# Altium PCB PROC114E3_BRD.PcbDoc (part 13 of 18)
Units mm, origin at the board's own origin, x right, y up, seen from the top; angles counter-clockwise.
Board outline 85 x 155.18 mm, 10 copper layers (TOP, L02_GND1, L03_SIG1, L04_GND2, L05_PWR1, L06_PWR2, L07_GND3, L08_SIG2, L09_GND4, BOTTOM), stack 1.134 mm thick; 1389 components, 1010 nets, 5137 pads, 3263 vias.
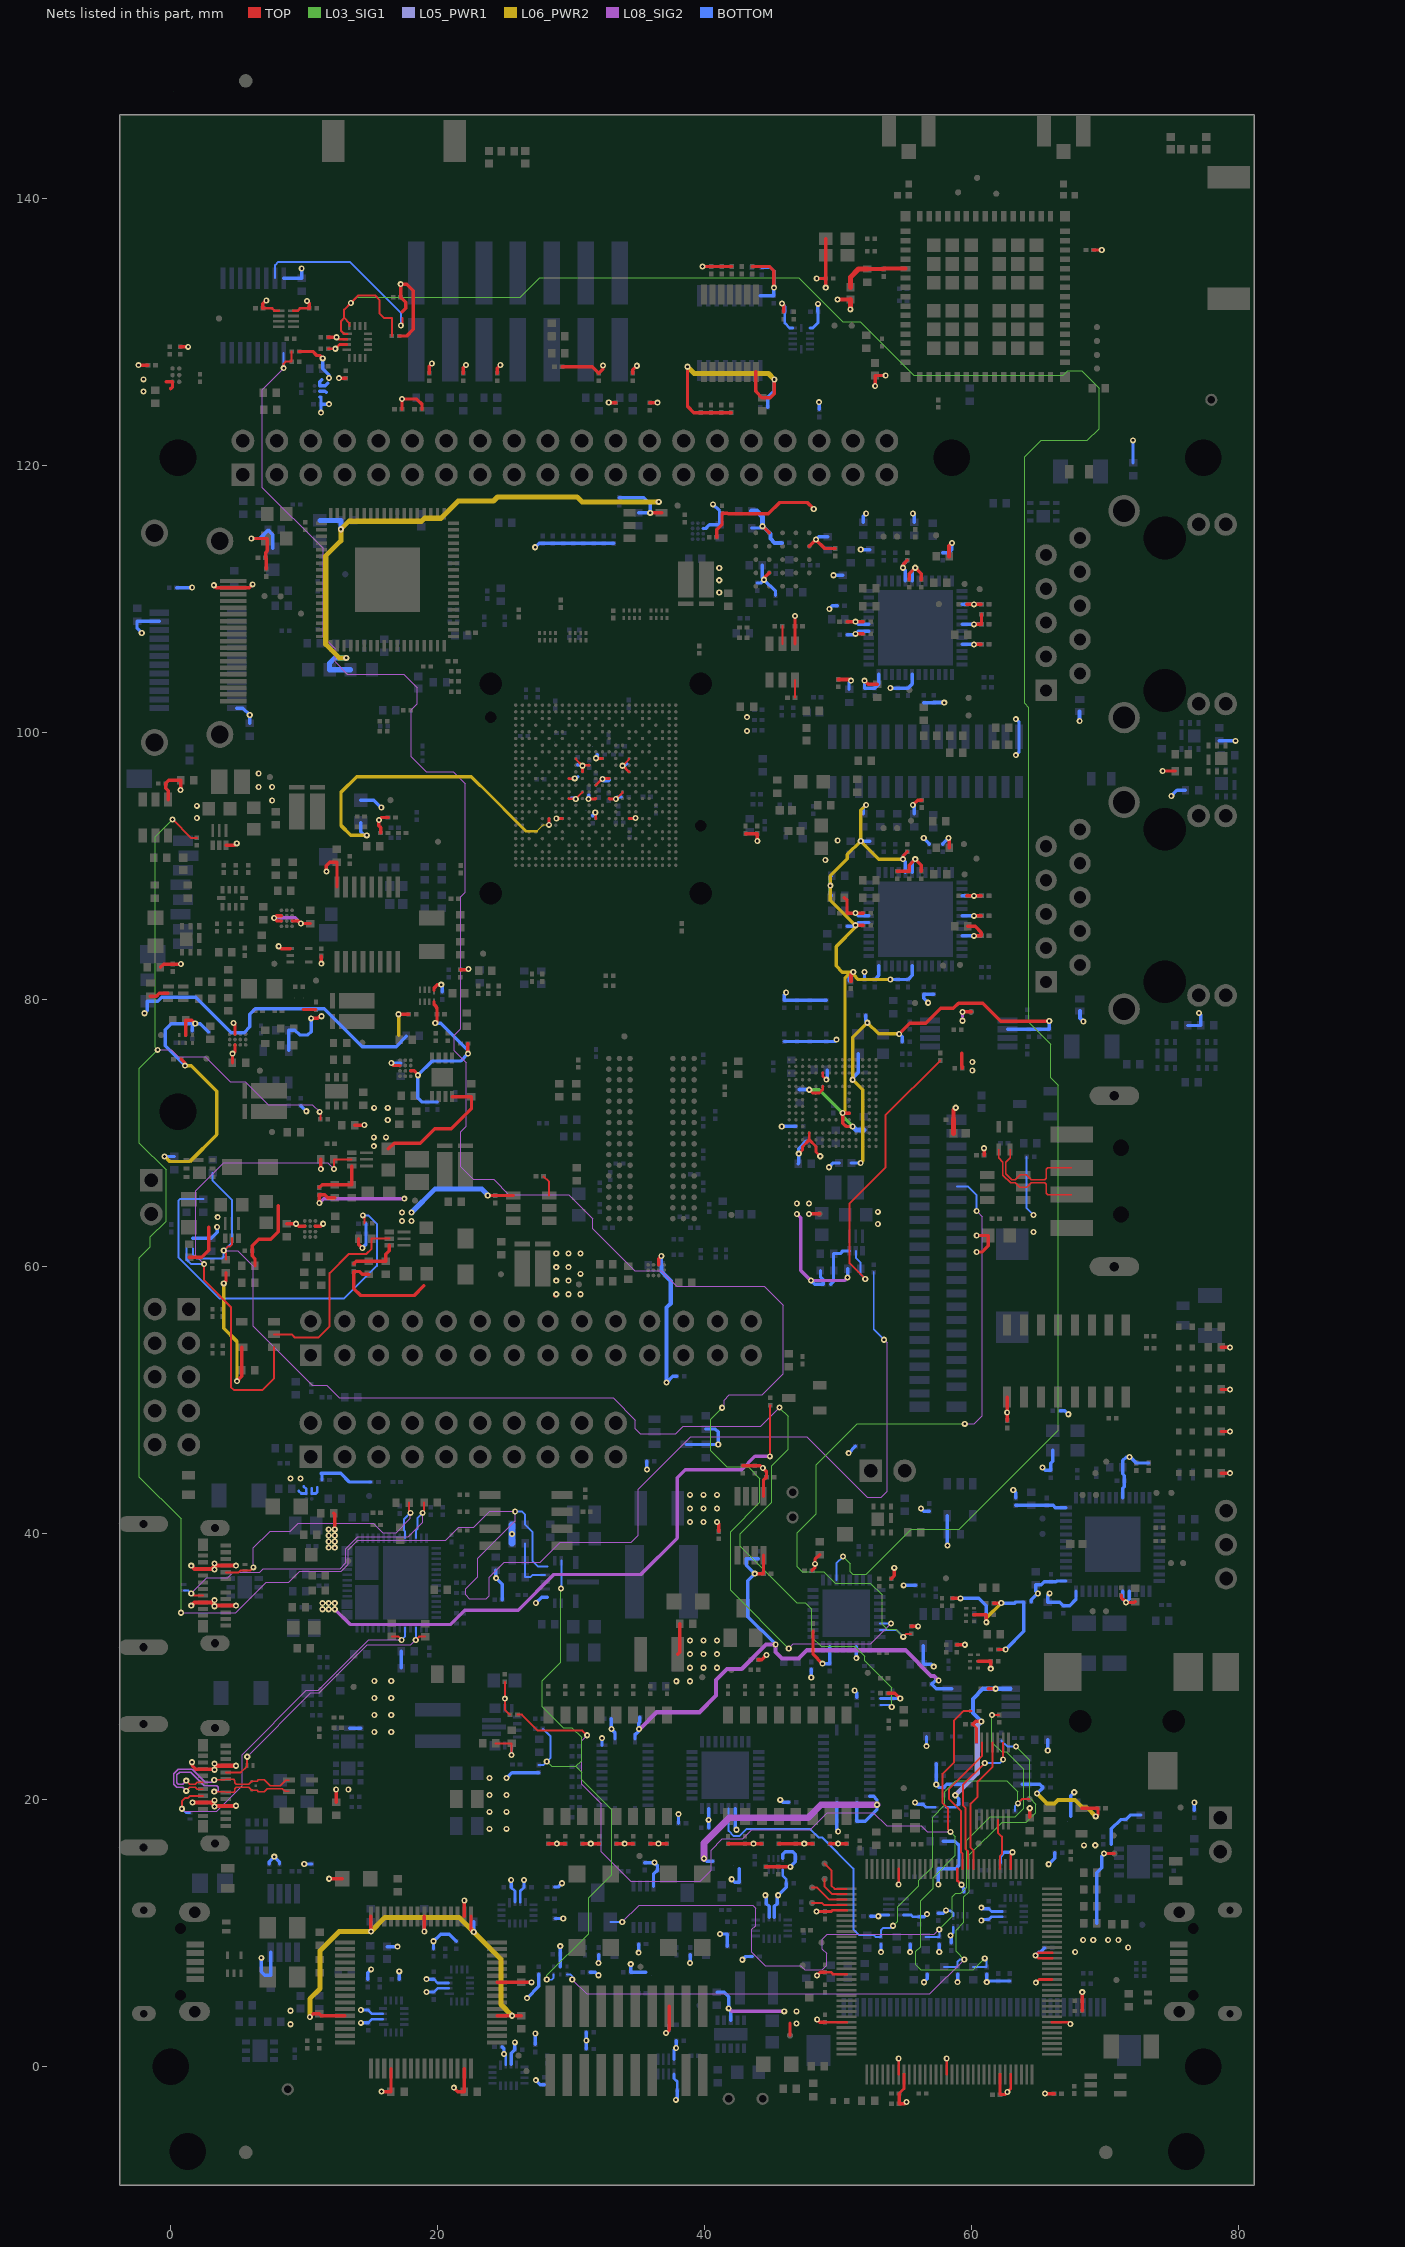
[diagram p21: the nets of this part, all layers, seen from the top]

## Via types
v1: diameter 0.457, hole 0.203, TOP to BOTTOM, 3263 vias

## Nets (pads, with @x,y where several pads share a name; then routed paths per layer and width w, separated by ;. In a path a pad name is that pad's centre, name@x,y a point inside that pad or via, vN(x,y) a via of type N, cw(c..) or ccw(c..) an arc to the next point about the centre after c; other vN are vias at no path point) (continued)
TEST_GPIO4:  | length 41.4
  TOP w0.147: v1(63.5,19.744) 63.822,20.066 64.364,20.066
  L03_SIG1 w0.091: v1(54.127,10.566) 54.483,10.922 54.483,11.985 56.072,13.574 56.072,13.98 57.099,15.008 57.099,18.716 58.031,19.648 58.031,20.616 58.852,21.438 62.662,21.438 63.5,20.599 v1(63.5,19.744)
  BOTTOM w0.147: 41.818,19.354 41.818,17.678 42.211,17.285 42.62,17.285 43.141,17.805 47.945,17.805 48.568,17.182 48.831,17.182 51.17,14.844 51.17,10.298 51.606,9.862 52.219,9.862 52.709,9.862 52.836,9.735 53.235,9.735 53.235,10.241 53.382,10.389 53.95,10.389 v1(54.127,10.566) ; 63.272,19.152 63.272,19.516 v1(63.5,19.744)
TEST_GPIO4_XDS:  | length 3.8
  TOP w0.147: 61.994,18.512 61.994,17.534 62.287,17.241 62.287,15.929 62.158,15.799 62.158,14.837
TEST_PORZN:  | length 55.2
  L03_SIG1 w0.091: v1(59.475,8.037) 58.866,8.646 58.866,10.246 59.45,10.831 59.45,12.736 59.846,13.132 59.846,15.875 62.31,18.339 64.135,18.339 64.846,19.05 64.846,19.685 64.389,20.142 64.389,22.962 v1(63.348,24.003)
  L08_SIG2 w0.091: v1(30.099,6.538) 31.184,5.453 56.892,5.453 v1(59.475,8.037)
  BOTTOM w0.147: 29.698,6.923 29.952,6.923 30.099,6.776 v1(30.099,6.538) ; 57.959,7.485 58.975,7.485 58.975,7.889 59.123,8.037 v1(59.475,8.037) ; 62.253,24.45 62.699,24.003 v1(63.348,24.003)
TEST_PORZN_XDS:  | length 11.5
  TOP w0.147: 59.758,14.837 59.758,16.136 59.586,16.308 59.586,19.383 59.374,19.595 59.374,21.121 v1(61.011,22.758) ; v1(62.394,23.033) 62.394,24.312
  BOTTOM w0.147: v1(61.011,22.758) 62.119,22.758 v1(62.394,23.033)
TEST_POWERDOWN:  | length 75.4
  TOP w0.147: 25.985,26.386 26.319,26.386 27.508,25.197 30.861,25.197 v1(31.217,24.841) ; v1(58.445,17.602) 58.242,17.805 58.242,19.38 57.836,19.787 57.836,21.92 58.699,22.784 58.699,25.933 59.431,26.665 60.016,26.665
  L03_SIG1 w0.091: v1(58.445,17.602) 58.815,17.233 58.815,15.834 57.139,14.158 57.139,13.371 56.199,12.431 56.199,9.006 55.843,8.65 55.843,7.656 56.224,7.275 60.157,7.275 v1(61.011,8.128)
  L08_SIG2 w0.091: v1(31.217,24.841) 30.825,24.45 30.825,21.168 32.285,19.709 32.285,16.101 34.482,13.904 39.689,13.904 40.502,14.717 40.502,16.241 41.34,17.079 42.864,17.079 43.55,17.765 47.918,17.765 49.204,19.05 52.668,19.05 53.659,18.059 56.236,18.059 56.693,17.602 v1(58.445,17.602)
  BOTTOM w0.147: 60.144,7.485 61.16,7.485 61.16,7.979 v1(61.011,8.128)
TEST_POWERDOWN_XDS:  | length 10.9
  TOP w0.147: 59.358,14.837 59.358,15.952 59.24,16.07 59.24,19.163 58.34,20.064 58.34,20.824 60.794,23.278 60.794,24.312
TEST_WARMRESETN:  | length 55.7
  TOP w0.147: v1(61.552,26.37) 62.098,26.37
  L03_SIG1 w0.091: v1(57.604,10.294) 58.586,11.277 58.586,12.736 58.84,12.99 59.196,12.99 59.653,13.447 59.653,16.993 61.406,18.745 63.297,18.745 63.932,19.38 63.932,22.301 62.636,23.597 62.281,23.597 61.552,24.326 v1(61.552,26.37)
  L08_SIG2 w0.091: v1(33.842,10.856) 35.107,12.121 43.606,12.121 43.84,11.887 43.84,10.563 43.565,10.287 43.565,8.575 44.56,7.579 47.207,7.579 47.522,7.264 48.834,7.264 49.167,7.597 49.167,8.49 48.848,8.809 48.848,9.543 49.223,9.918 57.228,9.918 v1(57.604,10.294)
  BOTTOM w0.147: 32.953,10.848 33.813,10.848 33.821,10.856 v1(33.842,10.856) ; 56.588,9.735 57.604,9.735 v1(57.604,10.294)
TEST_WARMRESETN_XDS:  | length 10.2
  TOP w0.147: 60.158,14.837 60.158,16.218 59.95,16.426 59.95,19.717 60.477,20.244 60.477,21.361 61.594,22.478 61.594,24.312
TM4C129_TCK:  | length 2.6
  TOP w0.147: 48.071,12.278 48.807,12.278 48.948,12.137 50.658,12.137
TM4C129_TDI:  | length 2.5
  TOP w0.147: 49.011,14.082 49.011,13.498 49.571,12.937 50.658,12.937
TM4C129_TDO:  | length 3.1
  TOP w0.147: 49.011,15.225 49.519,14.717 49.519,13.574 49.755,13.337 50.658,13.337
TM4C129_TMS:  | length 3
  TOP w0.147: 48.071,13.421 48.452,13.421 49.336,12.537 50.658,12.537
TMP1_ADD0:  | length 1.3
  TOP w0.147: 45.84,106.632 45.84,107.96
TMP1_ADD1:  | length 1.3
  TOP w0.147: 46.79,102.603 46.79,103.932
TMP2_ADD1:  | length 1.6
  TOP w0.147: 27.939,66.737 28.364,66.312 28.364,65.298
TS_INT#:  | length 54.7
  TOP w0.147: v1(54.907,32.221) 55.13,32.444 55.503,32.444
  L03_SIG1 w0.091: v1(54.907,32.221) 54.337,32.791 53.696,32.791 53.315,33.172 53.315,35.357 52.426,36.246 49.81,36.246 48.946,37.109 47.32,37.109 46.965,37.465 46.965,40.005 48.387,41.427 48.387,45.111 51.46,48.184 v1(59.512,48.184)
  L08_SIG2 w0.091: v1(59.512,48.184) 60.223,48.184 60.833,48.793 60.833,63.703 v1(60.401,64.135)
  BOTTOM w0.147: 53.141,32.722 54.407,32.722 v1(54.907,32.221) ; 58.912,65.959 59.771,65.959 60.401,65.329 v1(60.401,64.135)
UART1_FET_BUF_EN:  | length 177.2
  TOP w0.147: 13.244,129.871 12.99,129.871 12.765,130.097 12.765,130.828 13.003,131.066 ; 13.394,130.471 13.394,130.675 13.003,131.066 ; 16.578,129.709 16.578,131.057 15.994,131.057 15.668,131.383 15.668,132.394 15.317,132.745 14.066,132.745 v1(13.503,132.182) 13.003,131.682 13.003,131.066
  L03_SIG1 w0.091: v1(13.503,132.182) 13.947,132.626 26.184,132.626 27.647,134.089 47.071,134.089 50.375,130.786 51.691,130.786 55.705,126.772 66.906,126.772 67.229,127.095 68.278,127.095 69.577,125.796 69.577,122.776 68.702,121.901 65.234,121.901 64.006,120.674 64.006,102.185 64.29,101.901 64.29,101.899 64.303,101.886 64.303,78.288 64.317,78.275 ; v1(50.392,38.237) 50.923,37.705 50.923,37.113 51.13,36.906 52.134,36.906 55.494,40.267 59.088,40.267 66.506,47.685 66.506,73.577 65.963,74.119 65.963,76.628 64.907,77.685 ; 64.317,78.274 64.906,77.685
  BOTTOM w0.147: 49.891,36.471 49.891,37.737 v1(50.392,38.237)
UART1_FET_BUF_EN_INV:  | length 13.6
  TOP w0.147: v1(17.249,130.5) 17.249,130.52 17.358,130.629 17.358,131.057
  BOTTOM w0.147: 7.821,134.044 7.821,135.02 8.066,135.265 13.433,135.265 17.249,131.448 v1(17.249,130.5)
UART1_FET_SEL:  | length 147.5
  TOP w0.147: v1(8.471,127.301) 8.471,127.641 8.619,127.789 9.073,127.789 9.073,128.551
  L03_SIG1 w0.091: v1(41.329,49.386) 40.488,48.544 40.488,46.152 41.681,44.958 43.276,44.958 44.152,44.082 44.152,42.298 41.961,40.107 41.961,35.706 v1(46.322,31.344)
  L08_SIG2 w0.091: v1(8.471,127.301) 6.862,125.692 6.862,118.356 11.419,113.8 11.419,107.173 12.321,106.27 12.321,105.289 13.242,104.367 17.476,104.367 18.486,103.357 18.486,102.149 18.028,101.691 18.028,98.192 19.158,97.062 21.17,97.062 22.09,96.142 22.09,88.033 21.747,87.69 21.747,77.801 21.238,77.292 21.238,76.154 22.161,75.231 22.161,70.489 21.732,70.06 21.732,70.053 21.728,70.049 21.728,67.437 22.663,66.502 24.198,66.502 25.332,65.367 29.842,65.367 31.649,63.56 31.649,62.803 34.792,59.66 36.53,59.66 36.758,59.66 37.924,58.493 44.471,58.493 45.91,57.055 45.91,51.923 44.345,50.358 41.878,50.358 41.475,49.955 41.475,49.532 v1(41.329,49.386) ; v1(46.322,31.344) 46.677,31.699 52.47,31.699 v1(53.992,33.221)
  BOTTOM w0.147: v1(8.471,127.301) 8.471,128.444 ; 53.141,33.221 v1(53.992,33.221)
UART_SHIELD: 
USB0_TYPEACONN1_DM:  | length 8.5
  TOP w0.107: 62.059,68.752 62.059,68.108 62.374,67.792 62.374,66.831 62.944,66.261 63.279,66.261 63.645,65.895 63.897,65.895 64.143,65.895 64.509,66.261 65.515,66.261 65.622,66.155 65.622,65.477 65.728,65.37 67.528,65.37
USB0_TYPEACONN1_DP:  | length 8.1
  TOP w0.107: 62.908,68.752 62.908,68.108 62.593,67.792 62.593,66.922 63.035,66.48 63.304,66.48 63.67,66.845 63.897,66.845 64.117,66.845 64.482,66.48 65.515,66.48 65.622,66.586 65.622,67.264 65.728,67.37 67.528,67.37
USB_TYPEA_EARTH: 
USB_TYPEC1_EARTH: 
USB_TYPEC2_EARTH: 
USBC_CONN1_CC1:  | length 20.3
  TOP w0.147: 4.13,37.058 5.096,37.058 5.223,37.185 5.58,37.185 5.954,37.185 v1(6.194,37.426) ; 17.868,42.285 17.868,41.615 v1(17.97,41.514)
  L08_SIG2 w0.091: v1(6.194,37.426) 6.194,38.893 7.453,40.152 8.979,40.152 9.569,40.742 15.17,40.742 15.881,40.03 16.891,40.03 17.97,41.11 v1(17.97,41.514)
  BOTTOM w0.147: 17.57,39.615 17.57,40.112 17.486,40.196 17.486,41.03 v1(17.97,41.514)
USBC_CONN1_CC2:  | length 25.4
  TOP w0.147: v1(1.545,35.472) 1.709,35.308 2.43,35.308 ; v1(18.884,41.514) 18.989,41.618 18.989,42.288
  L08_SIG2 w0.091: v1(1.545,35.472) 2.709,36.637 4.281,36.637 4.694,37.05 6.667,37.05 6.955,37.338 12.71,37.338 13.131,37.758 13.131,38.835 14.032,39.736 17.804,39.736 18.884,40.817 v1(18.884,41.514)
  BOTTOM w0.147: 0.98,35.691 1.326,35.691 v1(1.545,35.472) ; 18.37,39.615 18.37,40.172 18.505,40.307 18.505,41.135 v1(18.884,41.514)
USBC_CONN2_CC1:  | length 20.5
  TOP w0.147: 4.13,22.058 5.26,22.058 5.738,22.536 5.738,22.591 v1(5.738,23.234) ; v1(18.37,31.989) 18.618,32.236 19.081,32.236
  L08_SIG2 w0.091: v1(5.738,23.234) 10.517,28.014 11.148,28.014 14.747,31.613 17.994,31.613 v1(18.37,31.989)
  BOTTOM w0.147: v1(18.37,31.989) 18.37,32.915
USBC_CONN2_CC2:  | length 28.2
  TOP w0.147: v1(0.837,19.337) 0.837,19.888 1.099,20.15 1.318,20.15 1.477,20.308 2.43,20.308 ; 16.586,32.249 17.051,32.249 v1(17.311,31.989)
  L08_SIG2 w0.091: v1(0.837,19.337) 1.039,19.135 3.438,19.135 5.362,21.058 5.362,23.39 10.178,28.207 11.068,28.207 14.85,31.989 v1(17.311,31.989)
  BOTTOM w0.147: v1(0.837,19.337) 1.164,19.01 1.455,19.01 ; v1(17.311,31.989) 17.57,32.248 17.57,32.915
USBC_CONN2_DM:  | length 13.3
  TOP w0.107: v1(1.17,21.439) 1.441,21.167 1.836,21.167 1.976,21.308 2.43,21.308 ; v1(3.265,20.618) 4.071,20.618 4.13,20.558 4.711,20.558 4.818,20.665 4.818,20.842 4.924,20.949 5.845,20.949 6.076,20.718 6.473,20.718 6.567,20.624 7.027,20.624 7.256,20.853 8.381,20.853 8.601,20.633 8.882,20.633
  L08_SIG2 w0.094: v1(1.17,21.439) 0.912,21.181 0.565,21.181 0.471,21.275 0.471,21.868 0.67,22.066 1.507,22.066 2.499,21.074 3.452,21.074 3.57,20.956 3.57,20.736 3.452,20.618 v1(3.265,20.618)
USBC_CONN2_DP:  | length 13.4
  TOP w0.107: v1(1.17,20.677) 1.441,20.949 1.836,20.949 1.976,20.808 2.43,20.808 ; v1(3.265,21.499) 4.071,21.499 4.13,21.558 4.711,21.558 4.818,21.451 4.818,21.274 4.924,21.167 5.845,21.167 6.076,21.398 6.473,21.398 6.567,21.492 7.027,21.492 7.447,21.072 8.198,21.072 8.609,21.483 8.882,21.483
  L08_SIG2 w0.094: v1(1.17,20.677) 0.912,20.935 0.463,20.935 0.225,21.173 0.225,21.97 0.568,22.313 1.609,22.313 2.601,21.321 3.087,21.321 v1(3.265,21.499)
VBAT_IN: 
VBUS_5V0_TYPEA1:  | length 4.6
  BOTTOM w0.147: 64.153,68.194 64.153,64.346 v1(64.668,63.83)
  other v1: 64.668,62.56
VBUS_TYPEC1:  | length 8.4
  TOP w0.254: v1@12.226,40.347 v1(12.295,40.278) 12.295,41.419 12.226,41.488
  TOP w0.305: v1(1.545,34.558) 1.795,34.808 2.43,34.808 3.066,34.808 3.316,34.558 4.13,34.558 v1(4.892,34.558) ; v1(1.545,37.558) 1.795,37.308 2.43,37.308 3.066,37.308 3.316,37.558 4.13,37.558 v1(4.892,37.558)
  other v1: 3.282,34.511 3.282,34.968 3.278,37.261 3.278,37.718 11.838,38.906 12.295,38.906 11.838,39.364 12.295,39.364 11.838,39.821 12.295,39.821 11.838,40.278
VBUS_TYPEC2:  | length 52.8
  TOP w0.147: v1(44.907,45.745) 44.907,49.529 44.948,49.57
  TOP w0.254: v1(1.601,22.819) 1.601,22.575 1.868,22.308 2.43,22.308 3.231,22.308 v1(3.278,22.261) ; v1(3.278,22.718) v1@3.438,22.558 ; 12.404,19.817 v1(12.404,20.784)
  TOP w0.305: v1(1.64,19.808) 2.43,19.808 3.028,19.808 3.278,19.558 4.13,19.558 v1(4.892,19.558) ; v1@3.438,22.558 4.13,22.558 v1(4.892,22.558)
  L08_SIG2 w0.254: v1(12.295,34.287) 12.301,34.287 13.441,33.147 20.981,33.147 22.047,34.214 26.039,34.214 28.716,36.892 35.241,36.892 37.973,39.624 37.973,44.145 38.57,44.742 42.786,44.742 43.79,45.745 v1(44.907,45.745)
  other v1: 3.282,19.511 3.282,19.968 13.318,20.784 11.381,34.287 11.838,34.287 11.381,34.744 11.838,34.744 12.295,34.744
VCC1V2_DDR:  | length 8.4
  TOP w0.254: v1(11.145,64.734) 11.145,65.344 11.541,65.344 11.756,65.128 12.297,65.128
  L08_SIG2 w0.254: v1(11.145,64.734) 11.471,65.06 v1(17.515,65.06)
VCC1V2_FB:  | length 3.9
  TOP w0.254: 11.145,65.903 11.35,66.108 12.297,66.108 13.567,66.108 13.567,67.506
VCC1V2_PG:  | length 37.6
  TOP w0.147: v1(2.509,60.147) 2.509,58.948 4.517,56.939 4.517,50.938 4.751,50.704 6.862,50.704 7.732,51.574 7.732,53.931 ; v1(12.239,67.282) 12.239,68.006 13.567,68.006
  L08_SIG2 w0.091: v1(2.509,60.147) 1.882,60.774 1.882,65.668 3.969,67.754 11.766,67.754 v1(12.239,67.282)
  BOTTOM w0.147: 1.186,61.312 1.186,60.5 1.539,60.147 v1(2.509,60.147)
VCC1V8_CLKBUF:  | length 34.7
  TOP w0.254: v1(54.599,77.404) 55.386,78.191 56.58,78.191 57.723,79.334 58.663,79.334 59.044,79.715 60.872,79.715 62.219,78.369 v1(65.844,78.369)
  L06_PWR2 w0.254: v1(51.711,67.734) 51.855,67.879 51.855,73.227 v1(51.11,73.972) 51.11,77.145 v1(52.211,78.245) 53.052,77.404 v1(54.599,77.404)
  BOTTOM w0.254: 51.014,67.734 v1(51.711,67.734) ; v1(51.11,73.972) 51.11,74.102 51.522,74.514 51.522,75.919 ; 52.082,78.803 52.082,78.374 v1(52.211,78.245) ; v1(54.599,77.404) 54.822,77.181 54.822,76.819 ; 62.721,77.756 64.32,77.756 65.082,77.756 65.844,77.756 v1(65.844,78.369)
VCC1V8_WLAN:  | length 5.1
  TOP w0.305: 52.218,134.731 53.43,134.731 53.453,134.754 55.065,134.754
  TOP w0.381: 50.941,133.363 50.941,134.122 51.55,134.731 52.218,134.731
VCC2V5_PG:  | length 22.1
  TOP w0.147: v1(52.059,59.04) 50.89,60.208 50.89,64.704 53.569,67.382 53.569,71.296 57.668,75.395 57.668,75.408
  BOTTOM w0.147: 51.347,61.138 51.347,60.614 51.71,60.251 51.71,59.802 51.71,59.388 v1(52.059,59.04)
VCC3V3_EXP:  | length 6.8
  TOP w0.254: 17.333,124.214 v1(17.333,124.986) 18.46,124.986 18.836,124.61 18.836,124.216 ; v1(32.831,124.724) 32.842,124.712 33.357,124.712 ; 35.897,124.712 v1(36.484,124.712)
  BOTTOM w0.254: 11.186,125.135 11.237,125.135 11.266,125.106 11.266,124.603 ; 11.186,125.571 11.563,125.571 11.647,125.486 ; v1(11.266,123.963) 11.266,124.603 ; v1(11.87,124.603) 11.266,124.603 ; 48.597,124.204 v1(48.597,124.753)
VCC3V3_PRU:  | length 5.8
  BOTTOM w0.203: 10.572,43.343 10.572,42.957 10.881,42.957 10.987,43.063 10.987,43.419
  BOTTOM w0.254: 11.343,43.972 11.343,44.409 11.266,44.486 12.739,44.486 13.4,43.825 15.017,43.825
VCC3V3_TA:  | length 85.8
  TOP w0.254: 28.31,16.722 v1(28.945,16.722) 29.58,16.722 ; 30.85,16.722 v1(31.485,16.722) 32.12,16.722 ; 33.39,16.722 v1(34.025,16.722) 34.66,16.722 ; 35.93,16.722 v1(36.565,16.722) 37.2,16.722 ; 41.772,16.722 43.042,16.722 v1(43.677,16.722) 44.312,16.722 ; v1(43.773,36.955) 44.426,36.955 44.426,38.345 ; 45.582,16.722 46.852,16.722 v1(47.487,16.722) 48.122,16.722 ; 46.413,2.347 46.413,3.246 ; 49.392,16.722 v1(50.027,16.722) 50.662,16.722 ; 68.272,19.37 69.501,19.37 69.501,18.938 v1(69.331,18.768)
  L06_PWR2 w0.305: v1(64.922,20.472) 65.659,19.736 66.243,19.736 66.497,19.99 67.767,19.99 68.326,19.431 68.668,19.431 v1(69.331,18.768)
  L08_SIG2 w0.254: v1(41.82,4.38) 42.05,4.15 v1(45.988,4.15)
  L08_SIG2 w0.305: v1(35.091,25.309) 35.164,25.309 36.424,26.568 39.624,26.568 40.869,27.813 40.869,28.981 41.707,29.82 42.799,29.82 44.628,31.648 v1(45.339,31.648) 45.339,31.09 45.822,30.607 47.066,30.607 47.676,31.217 55.067,31.217 56.998,29.286 57.213,29.286 v1(57.554,28.946)
  BOTTOM w0.203: 56.388,19.659 56.599,19.448 57.284,19.448
  BOTTOM w0.254: 34.8,24.579 34.8,24.869 35.091,25.16 v1(35.091,25.309) 35.091,25.744 35.167,25.82 35.167,26.198 ; 38.063,18.261 v1(38.063,18.933) ; 40.318,17.906 v1(40.318,18.503) 40.318,19.354 ; 40.942,5.579 41.482,5.579 41.82,5.241 v1(41.82,4.38) 41.975,4.225 41.975,3.473 ; 42.318,19.354 42.318,17.853 v1(42.407,17.765) ; 44.041,38.065 43.126,38.065 43.126,37.602 v1(43.773,36.955) 43.256,36.438 43.256,33.731 v1(45.339,31.648) ; v1(45.683,20) 45.861,19.822 46.318,19.822 ; 49.912,19.79 49.912,18.425 49.912,17.752 v1(50.027,17.637) ; v1(53.235,8.591) 53.235,9.175 ; v1(55.419,8.591) 55.419,9.175 ; v1(55.788,19.812) 55.94,19.659 56.388,19.659 ; v1(56.453,6.335) 56.715,6.597 56.715,6.925 ; v1(57.554,28.946) 57.286,28.946 57.025,28.685 57.025,28.669 57.362,28.331 58.554,28.331 ; v1(57.604,8.595) 57.604,9.175 ; v1(58.975,6.341) 58.975,6.925 ; 61.16,6.925 v1(61.16,6.341) 61.243,6.425 62.01,6.425 62.899,6.425 ; 63.818,21.168 65.14,21.168 65.379,20.929 v1(64.922,20.472) ; 76.72,19.219 v1(76.72,19.8)
  other v1: 46.902,3.236 46.902,4.15 71.755,8.94 70.261,9.502 71.023,9.502
VCC3V3_XDS:  | length 72.8
  TOP w0.203: 49.036,3.337 50.658,3.337 ; 49.036,7.086 49.478,7.086 49.627,6.938 50.658,6.938 ; 49.036,11.634 49.509,11.634 49.613,11.737 50.658,11.737 ; 54.558,-0.563 v1(54.558,0.618) ; v1(54.558,13.656) 54.558,14.837 ; 54.59,-2.007 54.958,-1.639 54.958,-0.563 ; 58.158,-0.563 v1(58.158,0.618) ; 58.958,14.837 58.958,13.954 v1(59.271,13.641) ; 60.125,25.674 60.125,25.649 60.394,25.38 60.394,24.312 ; 62.158,-2.083 62.158,-0.563 ; v1(62.701,-1.895) 62.958,-1.638 62.958,-0.563 ; 62.958,14.837 62.958,15.94 v1(63.092,16.074) ; v1(64.843,6.3) 65.081,6.537 66.058,6.537 ; 66.058,3.337 67.299,3.337 v1(67.426,3.211) ; 66.058,8.137 65.014,8.137 v1(64.814,8.337) 65.014,8.537 66.058,8.537
  TOP w0.254: v1(48.401,11.634) 49.036,11.634 ; v1(48.439,6.832) 48.693,7.086 49.036,7.086 ; v1(48.452,3.541) 48.655,3.337 49.036,3.337 ; 54.59,-2.007 54.59,-2.769 55.021,-2.769 v1(55.148,-2.642) ; 60.125,25.674 60.333,25.883 v1(60.757,25.883) ; 61.272,28.331 v1(61.831,28.331) ; 62.158,-2.083 62.513,-2.083 v1(62.701,-1.895) ; 64.387,18.676 v1(64.387,19.374) ; v1(65.533,-2.011) 66.206,-2.011 ; 68.315,4.176 68.315,4.938 v1(68.315,5.594) ; v1(69.955,15.98) 70.728,15.98
  L05_PWR1 w0.381: v1(58.801,20.345) 60.452,21.997 60.452,25.578 v1(60.757,25.883)
  BOTTOM w0.203: 54.921,11.38 55.496,11.38 55.639,11.237 56.1,11.237 ; 58.134,19.448 58.824,19.448 59.052,19.676 ; v1(58.447,9.837) 58.646,10.036 58.646,10.457 ; 61.304,11.034 61.51,11.24 62.333,11.24
  BOTTOM w0.254: 56.1,11.237 56.479,11.237 v1(56.681,11.44) ; v1(56.647,24.028) 56.647,24.754 ; 57.378,22.707 57.378,21.818 v1(57.379,21.158) 57.608,20.929 57.938,20.929 58.177,21.168 59.418,21.168 ; v1(57.536,13.661) 57.536,14.853 58.425,14.853 58.846,14.853 59.08,15.088 59.08,16.586 58.776,16.891 57.894,16.891 ; v1(58.447,9.837) 58.51,9.774 58.51,9.279 ; v1(58.801,20.345) 59.052,20.094 59.052,19.676 ; v1(59.271,13.641) 59.271,13.543 59.437,13.377 59.437,13.123 ; v1(60.758,10.958) 60.834,11.034 61.304,11.034 ; 62.193,15.277 62.193,15.784 62.484,16.074 v1(63.092,16.074) ; v1(64.814,8.337) 65.047,8.57 65.173,8.57 65.507,8.904 ; v1(65.736,23.699) 65.736,24.514 ; 69.414,10.744 69.414,12.014 69.414,13.284 69.414,14.554 69.766,14.906 69.766,15.791 v1(69.955,15.98) ; 70.499,16.66 70.499,17.829 71.197,18.527 71.568,18.527 71.905,18.864 72.711,18.864
  BOTTOM w0.305: v1(60.757,25.883) 60.122,26.518 60.122,27.559 60.894,28.331 v1(61.831,28.331) 62.954,28.331
  other v1: 67.786,8.593 68.383,9.502 69.145,9.502 68.442,16.596 69.292,16.603
VCC5V0_EXP: 
VCC_0V85:  | length 5.9
  TOP w0.254: 6.319,60.024 6.319,60.57 6.115,60.773 6.115,61.169 6.115,61.545 6.59,62.019 7.506,62.019 8.058,62.571 8.058,64.525
VCC_1V8:  | length 72
  TOP w0.203: 9.202,131.613 9.528,131.613 9.697,131.783 10.392,131.783 ; v1(12.422,129.619) 12.569,129.471 13.194,129.471 ; v1(47.075,68.433) 47.36,68.718 47.36,68.972 47.86,69.472 ; 47.86,69.972 47.86,69.472 ; v1(48.68,68.235) 48.36,68.555 48.36,68.972 47.86,69.472 ; 48.86,74.472 48.86,74.253 v1(49.138,73.975)
  TOP w0.254: 4.146,91.541 4.804,91.541 v1(4.952,91.689) ; v1(10.214,132.329) 10.392,132.151 10.392,131.783 ; 11.807,129.619 v1(12.422,129.619) ; v1(17.083,78.877) 17.837,78.877 17.843,78.883 ; 19.384,126.916 19.384,127.457 v1(19.572,127.645) ; 19.735,80.662 19.735,80.823 19.989,81.077 20.222,81.077 20.24,81.094 v1(20.282,81.094) ; 21.924,126.916 21.924,127.325 v1(22.131,127.533) ; 24.464,126.916 24.464,127.29 v1(24.705,127.531) ; 29.333,127.406 31.607,127.406 32.084,126.929 32.084,126.916 32.398,127.231 v1(32.398,127.502) ; 34.624,126.916 34.624,127.173 v1(34.935,127.484) ; v1(35.941,116.459) 36.794,116.459 ; v1(48.357,114.455) 49.029,113.783 49.819,113.783 ; v1(48.413,134.02) 49.099,134.02 ; v1(49.099,133.334) 49.099,134.02 ; 49.099,136.994 49.099,135.769 49.099,134.02 ; 53.762,28.007 54.267,28.007 v1(54.675,27.599) ; 69.153,136.154 v1(69.779,136.154)

## Text inside footprints (layer, text, board x,y; h text height)
TP61: PIN_NUMBER "1" at 26.578,-0.408 h0.25
TP62: PIN_NUMBER "1" at 74.848,37.826 h0.25 r180
TP63: PIN_NUMBER "1" at 75.762,37.826 h0.25 r180
TP64: PIN_NUMBER "1" at 58.017,36.527 h0.25
TP65: PIN_NUMBER "1" at 79.008,36.507 h0.25
TP66: PIN_NUMBER "1" at 68.984,34.221 h0.25 r180
TP67: PIN_NUMBER "1" at 69.984,34.221 h0.25 r180
TP68: PIN_NUMBER "1" at 42.001,29.763 h0.25 r90
TP69: PIN_NUMBER "1" at 52.155,29.432 h0.25
TP70: PIN_NUMBER "1" at 13.699,28.488 h0.25 r90
TP71: PIN_NUMBER "1" at 46.522,42.968 h0.25
TP72: PIN_NUMBER "1" at 46.522,41.089 h0.25
TP73: PIN_NUMBER "1" at 75.675,19.446 h0.25 r90
TP74: PIN_NUMBER "1" at 64.347,20.081 h0.25 r90
TP75: PIN_NUMBER "1" at 70.591,17.245 h0.25
TP76: PIN_NUMBER "1" at 60.371,16.726 h0.25 r270
TP77: PIN_NUMBER "1" at 70.641,15.896 h0.25
TP78: PIN_NUMBER "1" at 34.949,15.782 h0.25 r270
TP79: PIN_NUMBER "1" at 48.994,15.24 h0.25 r90
TP80: PIN_NUMBER "1" at 48.994,14.097 h0.25 r90
TP81: PIN_NUMBER "1" at 48.054,13.436 h0.25 r90
TP82: PIN_NUMBER "1" at 48.054,12.293 h0.25 r90
TP83: PIN_NUMBER "1" at 48.695,9.222 h0.25
TP84: PIN_NUMBER "1" at 47.273,7.508 h0.25
TP85: PIN_NUMBER "1" at 35.027,7.481 h0.25 r270
TP86: PIN_NUMBER "1" at 70.786,6.417 h0.25
TP87: PIN_NUMBER "1" at 46.326,2.263 h0.25
TP88: PIN_NUMBER "1" at 13.069,111.84 h0.25 r90
TP90: PIN_NUMBER "1" at 50.596,72.316 h0.25
TP91: PIN_NUMBER "1" at 65.226,40.997 h0.25
TP92: PIN_NUMBER "1" at 14.756,42.686 h0.25
TP93: PIN_NUMBER "1" at 65.256,40.024 h0.25 r180
TP94: PIN_NUMBER "1" at 39.452,4.614 h0.25 r270
TP95: PIN_NUMBER "1" at 13.223,37.82 h0.25
TP96: PIN_NUMBER "1" at 77.905,124.843 h0.25
TP97: PIN_NUMBER "1" at 8.69,-1.776 h0.25
TP98: PIN_NUMBER "1" at 3.534,130.939 h0.25
TP99: PIN_NUMBER "1" at 72.705,10.558 h0.25
TP100: PIN_NUMBER "1" at 59.045,82.667 h0.25 r180
TP101: PIN_NUMBER "1" at 59.789,102.61 h0.25 r90
TP102: PIN_NUMBER "1" at 57.779,82.606 h0.25 r180
TP103: PIN_NUMBER "1" at 59.789,101.289 h0.25 r90
TP104: PIN_NUMBER "1" at 54.854,20.794 h0.25
U1: PIN_NUMBER "2" at 50.622,135.769 h0.25; PIN_NUMBER "3" at 50.622,136.994 h0.25; PIN_NUMBER "4" at 48.997,136.994 h0.25; PIN_NUMBER "1" at 48.997,135.769 h0.25; Top Overlay "2" at 52.406,135.151 h0.51 r90; Top Overlay "3" at 50.776,138.093 h0.51; Top Overlay "4" at 47.689,136.847 h0.51
U2: PIN_NUMBER "5" at 9.101,130.286 h0.25; PIN_NUMBER "1" at 8.001,131.486 h0.25; PIN_NUMBER "2" at 8.001,131.086 h0.25; PIN_NUMBER "4" at 8.001,130.286 h0.25; PIN_NUMBER "7" at 9.101,131.086 h0.25; PIN_NUMBER "3" at 8.001,130.686 h0.25; PIN_NUMBER "8" at 9.101,131.486 h0.25; PIN_NUMBER "6" at 9.101,130.686 h0.25; Top Overlay "8" at 9.679,131.464 h0.51; Top Overlay "5" at 9.755,130.219 h0.51; Top Overlay "4" at 7.139,130.143 h0.51
U3: PIN_NUMBER "11" at 14.591,129.344 h0.25; PIN_NUMBER "10" at 14.591,128.945 h0.25; PIN_NUMBER "3" at 13.092,128.945 h0.25; PIN_NUMBER "12" at 14.591,129.744 h0.25; PIN_NUMBER "15" at 13.515,130.7 h0.25 r90; PIN_NUMBER "2" at 13.092,129.344 h0.25; PIN_NUMBER "4" at 13.092,128.545 h0.25; PIN_NUMBER "5" at 13.318,128.173 h0.25 r90; PIN_NUMBER "9" at 14.693,128.545 h0.25; PIN_NUMBER "7" at 14.118,128.173 h0.25 r90; PIN_NUMBER "8" at 14.518,128.173 h0.25 r90; PIN_NUMBER "6" at 13.718,128.173 h0.25 r90; PIN_NUMBER "13" at 14.315,130.7 h0.25 r90; PIN_NUMBER "14" at 13.915,130.7 h0.25 r90; PIN_NUMBER "16" at 13.115,130.7 h0.25 r90; PIN_NUMBER "1" at 13.131,129.78 h0.25; Top Overlay "8" at 15.013,126.925 h0.64; Top Overlay "5" at 13.692,126.748 h0.64; Top Overlay "16" at 13.613,130.897 h0.64 r90; Top Overlay "13" at 14.907,130.871 h0.64 r90; Top Overlay "12" at 15.889,128.904 h0.64 r90; Top Overlay "9" at 15.328,128.129 h0.64; Top Overlay "4" at 12.244,128.297 h0.64
U4: PIN_NUMBER "B1" at 0.437,126.906 h0.25 r180; PIN_NUMBER "A2" at -0.063,126.406 h0.25 r180; PIN_NUMBER "C1" at 0.437,127.405 h0.25 r180; PIN_NUMBER "B2" at -0.063,126.906 h0.25 r180; PIN_NUMBER "A1" at 0.437,126.406 h0.25 r180; PIN_NUMBER "C2" at -0.063,127.405 h0.25 r180
U5: PIN_NUMBER "5" at 39.824,115.898 h0.25; PIN_NUMBER "2" at 39.394,115.531 h0.25; PIN_NUMBER "4" at 40.254,116.181 h0.25; PIN_NUMBER "3" at 40.254,115.531 h0.25; PIN_NUMBER "1" at 39.394,116.181 h0.25; Top Overlay "3" at 40.878,115.179 h0.64; Top Overlay "2" at 39.295,114.378 h0.64; DISPLAY_TOP "4" at 92.508,112.041 h0.64
U6: PIN_NUMBER "3" at 34.293,114.432 h0.25; PIN_NUMBER "2" at 34.293,115.382 h0.25; PIN_NUMBER "4" at 36.693,114.432 h0.25; PIN_NUMBER "1" at 34.293,116.332 h0.25; PIN_NUMBER "5" at 36.693,116.332 h0.25; Top Overlay "5" at 36.636,116.93 h0.51; Top Overlay "4" at 37.118,113.704 h0.51; Top Overlay "3" at 34.146,113.501 h0.51
U7: PIN_NUMBER "2" at 8.575,116.384 h0.25 r90; PIN_NUMBER "4" at 7.125,114.533 h0.25 r90; PIN_NUMBER "3" at 7.125,116.384 h0.25 r90; PIN_NUMBER "1" at 8.575,114.533 h0.25 r90; Top Overlay "4" at 7.647,112.854 h0.64; Top Overlay "3" at 5.792,116.537 h0.64; Top Overlay "2" at 9.412,117.384 h0.38 r90
U8: PIN_NUMBER "B2" at 39.311,115.157 h0.25; PIN_NUMBER "C2" at 39.311,114.757 h0.25; PIN_NUMBER "B3" at 38.911,115.157 h0.25; PIN_NUMBER "C1" at 39.711,114.757 h0.25; PIN_NUMBER "A2" at 39.311,115.557 h0.25; PIN_NUMBER "C3" at 38.911,114.757 h0.25; PIN_NUMBER "A1" at 39.711,115.557 h0.25; PIN_NUMBER "B1" at 39.711,115.157 h0.25; PIN_NUMBER "D1" at 39.711,114.357 h0.25; PIN_NUMBER "D2" at 39.311,114.357 h0.25; PIN_NUMBER "D3" at 38.911,114.357 h0.25; PIN_NUMBER "A3" at 38.911,115.557 h0.25; DISPLAY_TOP "D" at 42.092,148.308 h0.51; DISPLAY_TOP "C" at 41.457,148.689 h0.51; DISPLAY_TOP "B" at 42.092,149.197 h0.51; DISPLAY_TOP "A" at 41.457,149.705 h0.51; DISPLAY_TOP "2" at 39.83,149.702 h0.51; DISPLAY_TOP "3" at 40.058,149.423 h0.51; DISPLAY_TOP "1" at 39.982,149.423 h0.51
U9: PIN_NUMBER "A2" at 46.654,111.082 h0.25 r180; PIN_NUMBER "A3" at 45.654,111.082 h0.25 r180; PIN_NUMBER "B1" at 47.654,112.082 h0.25 r180; PIN_NUMBER "B5" at 43.654,112.082 h0.25 r180; PIN_NUMBER "C5" at 43.654,113.082 h0.25 r180; PIN_NUMBER "E5" at 43.654,115.082 h0.25 r180; PIN_NUMBER "C1" at 47.654,113.082 h0.25 r180; PIN_NUMBER "B3" at 45.654,112.082 h0.25 r180; PIN_NUMBER "D4" at 44.654,114.082 h0.25 r180; PIN_NUMBER "C2" at 46.654,113.082 h0.25 r180; PIN_NUMBER "D3" at 45.654,114.082 h0.25 r180; PIN_NUMBER "E1" at 47.654,115.082 h0.25 r180; PIN_NUMBER "B2" at 46.654,112.082 h0.25 r180; PIN_NUMBER "E3" at 45.654,115.082 h0.25 r180; PIN_NUMBER "A4" at 44.654,111.082 h0.25 r180; PIN_NUMBER "C3" at 45.654,113.082 h0.25 r180; PIN_NUMBER "A5" at 43.654,111.082 h0.25 r180; PIN_NUMBER "D2" at 46.654,114.082 h0.25 r180; PIN_NUMBER "E2" at 46.654,115.082 h0.25 r180; PIN_NUMBER "C4" at 44.654,113.082 h0.25 r180; PIN_NUMBER "D5" at 43.654,114.082 h0.25 r180; PIN_NUMBER "E4" at 44.654,115.082 h0.25 r180; PIN_NUMBER "D1" at 47.654,114.082 h0.25 r180; PIN_NUMBER "B4" at 44.654,112.082 h0.25 r180; DISPLAY_BOTTOM "D" at 90.167,117.036 h0.51 r180; DISPLAY_BOTTOM "C" at 90.167,116.02 h0.51 r180; DISPLAY_BOTTOM "B" at 86.815,116.325 h0.51 r180; DISPLAY_BOTTOM "4" at 83.436,111.143 h0.51 r180; DISPLAY_BOTTOM "3" at 84.325,111.143 h0.51 r180; DISPLAY_BOTTOM "2" at 85.468,111.143 h0.51 r180; Bottom Overlay "1" at 48.363,111.448 h0.51
U10: PIN_NUMBER "70" at 19.164,106.49 h0.25 r270; PIN_NUMBER "73" at 16.041,111.567 h0.25 r180; PIN_NUMBER "57" at 12.664,106.49 h0.25 r270; PIN_NUMBER "55" at 11.664,106.49 h0.25 r270; PIN_NUMBER "43" at 11.091,112.817 h0.25 r180; PIN_NUMBER "63" at 15.664,106.49 h0.25 r270; PIN_NUMBER "2" at 21.093,107.817 h0.25 r180; PIN_NUMBER "1" at 21.093,107.317 h0.25 r180; PIN_NUMBER "49" at 11.091,109.817 h0.25 r180; PIN_NUMBER "35" at 12.164,116.39 h0.25 r270; PIN_NUMBER "59" at 13.664,106.49 h0.25 r270; PIN_NUMBER "40" at 11.091,114.317 h0.25 r180; PIN_NUMBER "22" at 18.664,116.39 h0.25 r270; PIN_NUMBER "39" at 11.091,114.817 h0.25 r180; PIN_NUMBER "21" at 19.164,116.39 h0.25 r270; PIN_NUMBER "3" at 21.093,108.317 h0.25 r180; PIN_NUMBER "46" at 11.091,111.317 h0.25 r180; PIN_NUMBER "62" at 15.164,106.49 h0.25 r270; PIN_NUMBER "51" at 11.091,108.817 h0.25 r180; PIN_NUMBER "72" at 20.164,106.49 h0.25 r270; PIN_NUMBER "71" at 19.664,106.49 h0.25 r270; PIN_NUMBER "65" at 16.664,106.49 h0.25 r270; PIN_NUMBER "50" at 11.091,109.317 h0.25 r180; PIN_NUMBER "48" at 11.091,110.317 h0.25 r180; PIN_NUMBER "56" at 12.164,106.49 h0.25 r270; PIN_NUMBER "34" at 12.664,116.39 h0.25 r270; PIN_NUMBER "68" at 18.164,106.49 h0.25 r270; PIN_NUMBER "36" at 11.664,116.39 h0.25 r270; PIN_NUMBER "58" at 13.164,106.49 h0.25 r270; PIN_NUMBER "69" at 18.664,106.49 h0.25 r270; PIN_NUMBER "52" at 11.091,108.317 h0.25 r180; PIN_NUMBER "24" at 17.664,116.39 h0.25 r270; PIN_NUMBER "37" at 11.091,115.817 h0.25 r180; PIN_NUMBER "27" at 16.164,116.39 h0.25 r270; PIN_NUMBER "23" at 18.164,116.39 h0.25 r270; PIN_NUMBER "29" at 15.164,116.39 h0.25 r270; PIN_NUMBER "28" at 15.664,116.39 h0.25 r270; PIN_NUMBER "30" at 14.664,116.39 h0.25 r270; PIN_NUMBER "54" at 11.091,107.317 h0.25 r180; PIN_NUMBER "25" at 17.164,116.39 h0.25 r270; PIN_NUMBER "61" at 14.664,106.49 h0.25 r270; PIN_NUMBER "20" at 19.664,116.39 h0.25 r270; PIN_NUMBER "33" at 13.164,116.39 h0.25 r270; PIN_NUMBER "64" at 16.164,106.49 h0.25 r270; PIN_NUMBER "12" at 20.991,112.817 h0.25 r180; PIN_NUMBER "5" at 21.093,109.317 h0.25 r180; PIN_NUMBER "53" at 11.091,107.817 h0.25 r180; PIN_NUMBER "47" at 11.091,110.817 h0.25 r180; PIN_NUMBER "26" at 16.664,116.39 h0.25 r270; PIN_NUMBER "42" at 11.091,113.317 h0.25 r180; PIN_NUMBER "66" at 17.164,106.49 h0.25 r270; PIN_NUMBER "60" at 14.164,106.49 h0.25 r270; PIN_NUMBER "32" at 13.664,116.39 h0.25 r270; PIN_NUMBER "38" at 11.091,115.317 h0.25 r180; PIN_NUMBER "31" at 14.164,116.39 h0.25 r270; PIN_NUMBER "19" at 20.164,116.39 h0.25 r270; PIN_NUMBER "18" at 20.991,115.817 h0.25 r180; PIN_NUMBER "17" at 20.991,115.317 h0.25 r180; PIN_NUMBER "16" at 20.991,114.817 h0.25 r180; PIN_NUMBER "15" at 20.991,114.317 h0.25 r180; PIN_NUMBER "14" at 20.991,113.817 h0.25 r180; PIN_NUMBER "67" at 17.664,106.49 h0.25 r270; PIN_NUMBER "13" at 20.991,113.317 h0.25 r180; PIN_NUMBER "11" at 20.991,112.317 h0.25 r180; PIN_NUMBER "10" at 20.991,111.817 h0.25 r180; PIN_NUMBER "9" at 21.093,111.317 h0.25 r180; PIN_NUMBER "8" at 21.093,110.817 h0.25 r180; PIN_NUMBER "7" at 21.093,110.317 h0.25 r180; PIN_NUMBER "6" at 21.093,109.817 h0.25 r180; PIN_NUMBER "4" at 21.093,108.817 h0.25 r180; PIN_NUMBER "45" at 11.091,111.817 h0.25 r180; PIN_NUMBER "44" at 11.091,112.317 h0.25 r180; PIN_NUMBER "41" at 11.091,113.817 h0.25 r180; Top Overlay "36" at 12.435,116.935 h0.51; Top Overlay "19" at 20.656,116.774 h0.51 r90; Top Overlay "72" at 19.47,105.479 h0.51; Top Overlay "55" at 11.647,105.302 h0.51; Top Overlay "54" at 9.92,106.876 h0.51; Top Overlay "18" at 21.782,115.512 h0.51; DISPLAY_TOP "37" at -5.93,115.208 h0.51
U11: PIN_NUMBER "2" at 45.866,103.932 h0.25 r90; PIN_NUMBER "6" at 44.916,106.632 h0.25 r90; PIN_NUMBER "1" at 44.916,103.932 h0.25 r90; PIN_NUMBER "4" at 46.816,106.632 h0.25 r90; PIN_NUMBER "3" at 46.816,103.932 h0.25 r90; PIN_NUMBER "5" at 45.866,106.632 h0.25 r90; Top Overlay "6" at 43.931,105.971 h0.64; Top Overlay "4" at 47.309,105.92 h0.64; Top Overlay "3" at 47.36,103.532 h0.64